# EAGLE board Mk4 Final Panel 8up 2x4 (EAGLE 9.0.1), part 13 of 23 (continued)
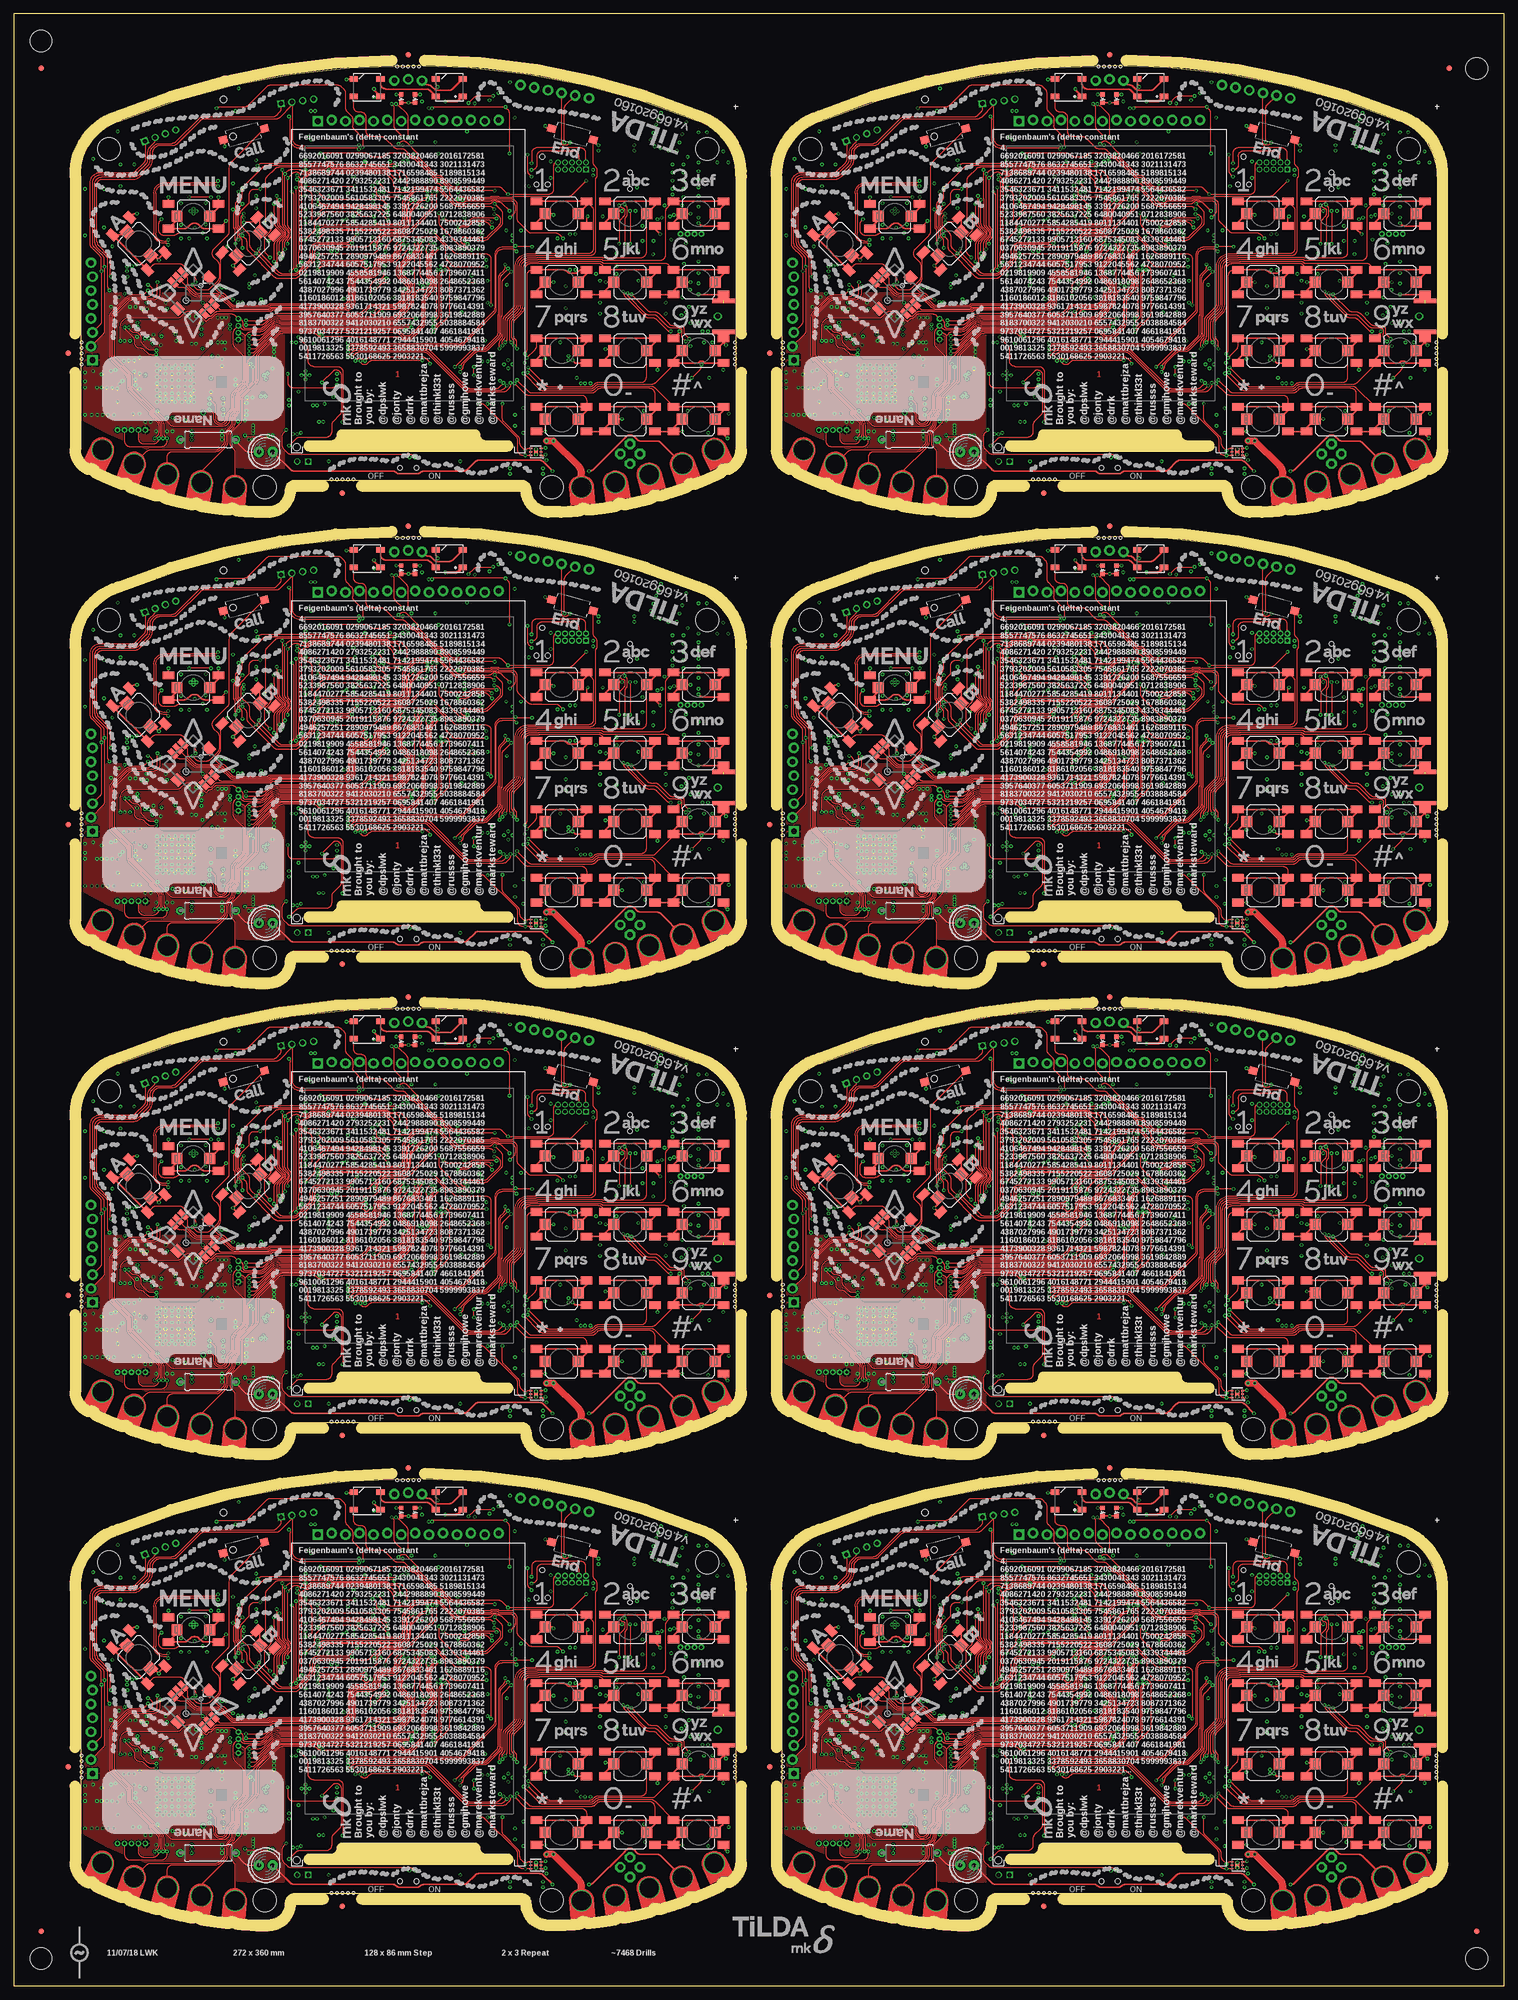
[diagram p0: board, top side]
## Tracks (layer width: path | path; a pad name or v marks a point on that pad's centre or on a via) (continued)
I2C4_SCL7  (via drill 0.3)
  Top 0.15: v204,296.1 204,296.3 203.29,297.01 arc45 202.59,297.3 193.21,297.3 arc45 192.51,297.01 v192.1,296.6 191.78,296.92 arc90 190.72,296.92 v190.4,296.6 | v217.2,288.8 217.2,286.14 arc45 217.49,285.43 220.01,282.92 arc-45 220.3,282.21 220.3,281.71 arc45 220.59,281.01 v221.35,280.25 221.46,280.36 arc-45 222.16,280.65 IC142.4
  3V3@2 0.15: v187,316.7 186.3,317.4 186.3,321.8 186.55,322.05 186.55,324.55 187,325 189,325 191.4,327.4 193.95,327.4 194.5,326.85 195.05,326.85 195.5,327.3 v195.5,327.4
  Bottom 0.15: IC132.5 182,296.3 arc-90 183,297.3 185.38,297.3 arc-45 186.27,296.93 186.51,296.69 arc45 187.21,296.4 190.12,296.4 arc45 190.26,296.46 v190.4,296.6 | IC139.19 214.75,294.75 | IC140.1 216.25,291.5 216.28,291.52 | 216.28,291.52 arc90 216.28,292.23 215.04,293.46 arc-45 214.75,294.16 214.75,294.75 | 214.75,294.75 212.16,294.75 arc-45 211.46,295.04 210.69,295.81 arc45 209.99,296.1 v204,296.1 | v192.1,296.6 191.7,297 191.7,300.38 arc45 191.33,301.27 186.99,305.61 arc-45 186.7,306.31 186.7,315.99 arc-45 v186.99,316.69 v187,316.7 187.05,316.75 R572.1 | v217.2,288.8 217.2,290.39 arc45 217.05,290.75 216.28,291.52 | IC128.61 194.69,328 arc-45 195.05,327.85 v195.5,327.4 | IC143.6 220.72,278.88 arc45 220.7,278.95 220.63,279.02 arc-45 220.6,279.09 220.6,279.29 arc-45 220.75,279.65 v221.35,280.25
I2C4_SDA  (via drill 0.3)
  Top 0.15: v84,36 v84,37.5 | v74.58,38.7 65.54,38.7 arc45 64.83,38.41 64.56,38.13 arc-45 64,37.9 arc-90 v63.3,38.6 | IC17.6 v93.35,21.35 93,21.35 arc-90 92,22.35 92,24.09 arc45 91.71,24.79 85.99,30.51 arc45 85.29,30.8 v84.8,30.8
  3V3@2 0.15: v58,58.7 58,64 58.25,64.25 58.25,66.75 59,67.5 61,67.5 63.25,69.75 66.35,69.75 v66.7,69.4
  Bottom 0.15: IC8.6 arc-90 55.45,39 57.36,39 arc-45 58.07,38.71 58.31,38.47 arc45 59.19,38.1 61.82,38.1 arc-45 61.96,38.04 62.04,37.96 arc45 62.18,37.9 62.6,37.9 arc90 v63.3,38.6 63.4,38.7 63.4,42.34 arc45 63.11,43.04 58.69,47.46 arc-45 58.4,48.16 58.4,57.89 arc45 58.11,58.59 v58,58.7 arc45 58.1,58.94 58.1,59.7 R21.1 | IC4.20 86.92,37.25 86.89,37.23 84.66,37.23 arc-45 v84,37.5 83.39,38.11 arc45 82.69,38.4 76.71,38.4 arc-45 76.35,38.55 76.35,38.55 arc45 75.99,38.7 v74.58,38.7 | IC16.6 86.16,33.5 arc-45 85.46,33.79 84.8,34.45 | 84.8,34.45 84.29,34.96 arc-45 84,35.66 v84,36 | v84.8,30.8 84.8,34.45 | IC1.60 66.29,69.6 arc-45 66.65,69.45 v66.7,69.4 | IC3.1 95.47,20.06 arc45 95.18,20.77 94.89,21.06 arc45 94.19,21.35 v93.35,21.35
I2C4_SDA1  (via drill 0.3)
  Top 0.15: v212,36 v212,37.5 | v202.58,38.7 193.54,38.7 arc45 192.83,38.41 192.56,38.13 arc-45 192,37.9 arc-90 v191.3,38.6 | IC34.6 v221.35,21.35 221,21.35 arc-90 220,22.35 220,24.09 arc45 219.71,24.79 213.99,30.51 arc45 213.29,30.8 v212.8,30.8
  3V3@2 0.15: v186,58.7 186,64 186.25,64.25 186.25,66.75 187,67.5 189,67.5 191.25,69.75 194.35,69.75 v194.7,69.4
  Bottom 0.15: IC24.6 arc-90 183.45,39 185.36,39 arc-45 186.07,38.71 186.31,38.47 arc45 187.19,38.1 189.82,38.1 arc-45 189.96,38.04 190.04,37.96 arc45 190.18,37.9 190.6,37.9 arc90 v191.3,38.6 191.4,38.7 191.4,42.34 arc45 191.11,43.04 186.69,47.46 arc-45 186.4,48.16 186.4,57.89 arc45 186.11,58.59 v186,58.7 arc45 186.1,58.94 186.1,59.7 R103.1 | IC31.20 214.92,37.25 214.89,37.23 212.66,37.23 arc-45 v212,37.5 211.39,38.11 arc45 210.69,38.4 204.71,38.4 arc-45 204.35,38.55 204.35,38.55 arc45 203.99,38.7 v202.58,38.7 | IC32.6 214.16,33.5 arc-45 213.46,33.79 212.8,34.45 | 212.8,34.45 212.29,34.96 arc-45 212,35.66 v212,36 | v212.8,30.8 212.8,34.45 | IC20.60 194.29,69.6 arc-45 194.65,69.45 v194.7,69.4 | IC35.1 223.47,20.06 arc45 223.18,20.77 222.89,21.06 arc45 222.19,21.35 v221.35,21.35
I2C4_SDA2  (via drill 0.3)
  Top 0.15: v84,122 v84,123.5 | v74.58,124.7 65.54,124.7 arc45 64.83,124.41 64.56,124.13 arc-45 64,123.9 arc-90 v63.3,124.6 | IC52.6 v93.35,107.35 93,107.35 arc-90 92,108.35 92,110.09 arc45 91.71,110.79 85.99,116.51 arc45 85.29,116.8 v84.8,116.8
  3V3@2 0.15: v58,144.7 58,150 58.25,150.25 58.25,152.75 59,153.5 61,153.5 63.25,155.75 66.35,155.75 v66.7,155.4
  Bottom 0.15: IC42.6 arc-90 55.45,125 57.36,125 arc-45 58.07,124.71 58.31,124.47 arc45 59.19,124.1 61.82,124.1 arc-45 61.96,124.04 62.04,123.96 arc45 62.18,123.9 62.6,123.9 arc90 v63.3,124.6 63.4,124.7 63.4,128.34 arc45 63.11,129.04 58.69,133.46 arc-45 58.4,134.16 58.4,143.89 arc45 58.11,144.59 v58,144.7 arc45 58.1,144.94 58.1,145.7 R181.1 | IC49.20 86.92,123.25 86.89,123.22 84.66,123.22 arc-45 v84,123.5 83.39,124.11 arc45 82.69,124.4 76.71,124.4 arc-45 76.35,124.55 76.35,124.55 arc45 75.99,124.7 v74.58,124.7 | IC50.6 86.16,119.5 arc-45 85.46,119.79 84.8,120.45 | 84.8,120.45 84.29,120.96 arc-45 84,121.66 v84,122 | v84.8,116.8 84.8,120.45 | IC38.60 66.29,155.6 arc-45 66.65,155.45 v66.7,155.4 | IC53.1 95.47,106.06 arc45 95.18,106.77 94.89,107.06 arc45 94.19,107.35 v93.35,107.35
I2C4_SDA3  (via drill 0.3)
  Top 0.15: v212,122 v212,123.5 | v202.58,124.7 193.54,124.7 arc45 192.83,124.41 192.56,124.13 arc-45 192,123.9 arc-90 v191.3,124.6 | IC70.6 v221.35,107.35 221,107.35 arc-90 220,108.35 220,110.09 arc45 219.71,110.79 213.99,116.51 arc45 213.29,116.8 v212.8,116.8
  3V3@2 0.15: v186,144.7 186,150 186.25,150.25 186.25,152.75 187,153.5 189,153.5 191.25,155.75 194.35,155.75 v194.7,155.4
  Bottom 0.15: IC60.6 arc-90 183.45,125 185.36,125 arc-45 186.07,124.71 186.31,124.47 arc45 187.19,124.1 189.82,124.1 arc-45 189.96,124.04 190.04,123.96 arc45 190.18,123.9 190.6,123.9 arc90 v191.3,124.6 191.4,124.7 191.4,128.34 arc45 191.11,129.04 186.69,133.46 arc-45 186.4,134.16 186.4,143.89 arc45 186.11,144.59 v186,144.7 arc45 186.1,144.94 186.1,145.7 R259.1 | IC67.20 214.92,123.25 214.89,123.22 212.66,123.22 arc-45 v212,123.5 211.39,124.11 arc45 210.69,124.4 204.71,124.4 arc-45 204.35,124.55 204.35,124.55 arc45 203.99,124.7 v202.58,124.7 | IC68.6 214.16,119.5 arc-45 213.46,119.79 212.8,120.45 | 212.8,120.45 212.29,120.96 arc-45 212,121.66 v212,122 | v212.8,116.8 212.8,120.45 | IC56.60 194.29,155.6 arc-45 194.65,155.45 v194.7,155.4 | IC71.1 223.47,106.06 arc45 223.18,106.77 222.89,107.06 arc45 222.19,107.35 v221.35,107.35
I2C4_SDA4  (via drill 0.3)
  Top 0.15: v84,208 v84,209.5 | v74.58,210.7 65.54,210.7 arc45 64.83,210.41 64.56,210.13 arc-45 64,209.9 arc-90 v63.3,210.6 | IC88.6 v93.35,193.35 93,193.35 arc-90 92,194.35 92,196.09 arc45 91.71,196.79 85.99,202.51 arc45 85.29,202.8 v84.8,202.8
  3V3@2 0.15: v58,230.7 58,236 58.25,236.25 58.25,238.75 59,239.5 61,239.5 63.25,241.75 66.35,241.75 v66.7,241.4
  Bottom 0.15: IC78.6 arc-90 55.45,211 57.36,211 arc-45 58.07,210.71 58.31,210.47 arc45 59.19,210.1 61.82,210.1 arc-45 61.96,210.04 62.04,209.96 arc45 62.18,209.9 62.6,209.9 arc90 v63.3,210.6 63.4,210.7 63.4,214.34 arc45 63.11,215.04 58.69,219.46 arc-45 58.4,220.16 58.4,229.89 arc45 58.11,230.59 v58,230.7 arc45 58.1,230.94 58.1,231.7 R337.1 | IC85.20 86.92,209.25 86.89,209.22 84.66,209.22 arc-45 v84,209.5 83.39,210.11 arc45 82.69,210.4 76.71,210.4 arc-45 76.35,210.55 76.35,210.55 arc45 75.99,210.7 v74.58,210.7 | IC86.6 86.16,205.5 arc-45 85.46,205.79 84.8,206.45 | 84.8,206.45 84.29,206.96 arc-45 84,207.66 v84,208 | v84.8,202.8 84.8,206.45 | IC74.60 66.29,241.6 arc-45 66.65,241.45 v66.7,241.4 | IC89.1 95.47,192.06 arc45 95.18,192.77 94.89,193.06 arc45 94.19,193.35 v93.35,193.35
I2C4_SDA5  (via drill 0.3)
  Top 0.15: v212,208 v212,209.5 | v202.58,210.7 193.54,210.7 arc45 192.83,210.41 192.56,210.13 arc-45 192,209.9 arc-90 v191.3,210.6 | IC106.6 v221.35,193.35 221,193.35 arc-90 220,194.35 220,196.09 arc45 219.71,196.79 213.99,202.51 arc45 213.29,202.8 v212.8,202.8
  3V3@2 0.15: v186,230.7 186,236 186.25,236.25 186.25,238.75 187,239.5 189,239.5 191.25,241.75 194.35,241.75 v194.7,241.4
  Bottom 0.15: IC96.6 arc-90 183.45,211 185.36,211 arc-45 186.07,210.71 186.31,210.47 arc45 187.19,210.1 189.82,210.1 arc-45 189.96,210.04 190.04,209.96 arc45 190.18,209.9 190.6,209.9 arc90 v191.3,210.6 191.4,210.7 191.4,214.34 arc45 191.11,215.04 186.69,219.46 arc-45 186.4,220.16 186.4,229.89 arc45 186.11,230.59 v186,230.7 arc45 186.1,230.94 186.1,231.7 R415.1 | IC103.20 214.92,209.25 214.89,209.22 212.66,209.22 arc-45 v212,209.5 211.39,210.11 arc45 210.69,210.4 204.71,210.4 arc-45 204.35,210.55 204.35,210.55 arc45 203.99,210.7 v202.58,210.7 | IC104.6 214.16,205.5 arc-45 213.46,205.79 212.8,206.45 | 212.8,206.45 212.29,206.96 arc-45 212,207.66 v212,208 | v212.8,202.8 212.8,206.45 | IC92.60 194.29,241.6 arc-45 194.65,241.45 v194.7,241.4 | IC107.1 223.47,192.06 arc45 223.18,192.77 222.89,193.06 arc45 222.19,193.35 v221.35,193.35
I2C4_SDA6  (via drill 0.3)
  Top 0.15: v84,294 v84,295.5 | v74.58,296.7 65.54,296.7 arc45 64.83,296.41 64.56,296.13 arc-45 64,295.9 arc-90 v63.3,296.6 | IC124.6 v93.35,279.35 93,279.35 arc-90 92,280.35 92,282.09 arc45 91.71,282.79 85.99,288.51 arc45 85.29,288.8 v84.8,288.8
  3V3@2 0.15: v58,316.7 58,322 58.25,322.25 58.25,324.75 59,325.5 61,325.5 63.25,327.75 66.35,327.75 v66.7,327.4
  Bottom 0.15: IC114.6 arc-90 55.45,297 57.36,297 arc-45 58.07,296.71 58.31,296.47 arc45 59.19,296.1 61.82,296.1 arc-45 61.96,296.04 62.04,295.96 arc45 62.18,295.9 62.6,295.9 arc90 v63.3,296.6 63.4,296.7 63.4,300.34 arc45 63.11,301.04 58.69,305.46 arc-45 58.4,306.16 58.4,315.89 arc45 58.11,316.59 v58,316.7 arc45 58.1,316.94 58.1,317.7 R493.1 | IC121.20 86.92,295.25 86.89,295.23 84.66,295.23 arc-45 v84,295.5 83.39,296.11 arc45 82.69,296.4 76.71,296.4 arc-45 76.35,296.55 76.35,296.55 arc45 75.99,296.7 v74.58,296.7 | IC122.6 86.16,291.5 arc-45 85.46,291.79 84.8,292.45 | 84.8,292.45 84.29,292.96 arc-45 84,293.66 v84,294 | v84.8,288.8 84.8,292.45 | IC110.60 66.29,327.6 arc-45 66.65,327.45 v66.7,327.4 | IC125.1 95.47,278.06 arc45 95.18,278.77 94.89,279.06 arc45 94.19,279.35 v93.35,279.35
I2C4_SDA7  (via drill 0.3)
  Top 0.15: v212,294 v212,295.5 | v202.58,296.7 193.54,296.7 arc45 192.83,296.41 192.56,296.13 arc-45 192,295.9 arc-90 v191.3,296.6 | IC142.6 v221.35,279.35 221,279.35 arc-90 220,280.35 220,282.09 arc45 219.71,282.79 213.99,288.51 arc45 213.29,288.8 v212.8,288.8
  3V3@2 0.15: v186,316.7 186,322 186.25,322.25 186.25,324.75 187,325.5 189,325.5 191.25,327.75 194.35,327.75 v194.7,327.4
  Bottom 0.15: IC132.6 arc-90 183.45,297 185.36,297 arc-45 186.07,296.71 186.31,296.47 arc45 187.19,296.1 189.82,296.1 arc-45 189.96,296.04 190.04,295.96 arc45 190.18,295.9 190.6,295.9 arc90 v191.3,296.6 191.4,296.7 191.4,300.34 arc45 191.11,301.04 186.69,305.46 arc-45 186.4,306.16 186.4,315.89 arc45 186.11,316.59 v186,316.7 arc45 186.1,316.94 186.1,317.7 R571.1 | IC139.20 214.92,295.25 214.89,295.23 212.66,295.23 arc-45 v212,295.5 211.39,296.11 arc45 210.69,296.4 204.71,296.4 arc-45 204.35,296.55 204.35,296.55 arc45 203.99,296.7 v202.58,296.7 | IC140.6 214.16,291.5 arc-45 213.46,291.79 212.8,292.45 | 212.8,292.45 212.29,292.96 arc-45 212,293.66 v212,294 | v212.8,288.8 212.8,292.45 | IC128.60 194.29,327.6 arc-45 194.65,327.45 v194.7,327.4 | IC143.1 223.47,278.06 arc45 223.18,278.77 222.89,279.06 arc45 222.19,279.35 v221.35,279.35
I2C5_EXT_SCL  (via drill 0.3)
  Top 0.2: J8.1 48.78,84.69 arc-45 48.49,83.99 47.89,83.39 arc-45 47.19,83.1 34.62,83.1 arc45 33.73,82.73 29.59,78.59 arc-45 28.89,78.3 26.52,78.3 arc45 25.63,77.93 25.27,77.57 arc45 24.9,76.68 24.9,75.27 arc-45 24.46,74.21 22.89,72.64 arc-45 21.83,72.2 16.05,72.2 arc90 14.8,70.95 14.8,60.21 arc45 15.09,59.51 16.81,57.79 arc-45 17.1,57.09 17.1,52.31 arc45 17.39,51.61 v17.5,51.5 | v50.25,83.25 arc-45 50.5,82.65 50.5,79.15 arc90 52.25,77.4 62.85,77.4 v63,77.25
  3V3@2 0.15: v63,77.25 63,74 63.5,73.5 68.02,73.5 68.6,72.92 68.6,70.32 70.28,68.65 70.28,68.38 70.58,68.08 70.85,68.08 76.1,62.82 v76.1,62.2
  Bottom 0.15: IC1.121 78.89,61.6 78.86,61.63 arc45 78.51,61.77 78.38,61.77 arc-45 77.67,62.07 77.21,62.53 arc45 76.86,62.67 76.78,62.67 arc45 76.43,62.53 v76.1,62.2
  Bottom 0.2: IC1.121 80.79,61.6 arc-45 81.15,61.45 81.25,61.35 arc45 81.61,61.2 82.27,61.2 arc-45 82.62,61.05 83.35,60.33 83.35,60.15 R24.1 84.2,59.3 84.2,58.95 arc45 84.33,58.63 arc-45 84.62,57.92 84.62,53.82 arc45 84.92,53.11 85.41,52.62 arc45 86.12,52.33 87.76,52.33 arc-45 88.47,52.03 94.38,46.12 arc-45 94.75,45.23 94.75,39.33 arc45 95.19,38.27 100,33.46 arc45 101.06,33.02 104.66,33.02 arc-45 105.54,32.66 109.11,29.09 arc-45 109.4,28.39 109.4,21.9 109.4,21.51 | JP6.6 17.45,51.45 v17.5,51.5 | PCB.SCL 109.8,17 109.4,17.4 109.4,21.51 | J8.1 49,85.36 49,84.91 arc45 49.29,84.21 v50.25,83.25 | J11.3 111.06,19.85 arc-45 110.35,20.15 109.69,20.81 arc-45 109.4,21.51
  Bottom 0.3: PCB.SCL 110.25,16.84 | J8.5 J8.1
I2C5_EXT_SCL1  (via drill 0.3)
  Top 0.2: J18.1 176.78,84.69 arc-45 176.49,83.99 175.89,83.39 arc-45 175.19,83.1 162.62,83.1 arc45 161.73,82.73 157.59,78.59 arc-45 156.89,78.3 154.52,78.3 arc45 153.63,77.93 153.27,77.57 arc45 152.9,76.68 152.9,75.27 arc-45 152.46,74.21 150.89,72.64 arc-45 149.83,72.2 144.05,72.2 arc90 142.8,70.95 142.8,60.21 arc45 143.09,59.51 144.81,57.79 arc-45 145.1,57.09 145.1,52.31 arc45 145.39,51.61 v145.5,51.5 | v178.25,83.25 arc-45 178.5,82.65 178.5,79.15 arc90 180.25,77.4 190.85,77.4 v191,77.25
  3V3@2 0.15: v191,77.25 191,74 191.5,73.5 196.02,73.5 196.6,72.92 196.6,70.32 198.28,68.65 198.28,68.38 198.58,68.08 198.85,68.08 204.1,62.82 v204.1,62.2
  Bottom 0.15: IC20.121 206.89,61.6 206.86,61.63 arc45 206.51,61.77 206.38,61.77 arc-45 205.68,62.07 205.21,62.53 arc45 204.86,62.67 204.78,62.67 arc45 204.43,62.53 v204.1,62.2
  Bottom 0.2: IC20.121 208.79,61.6 arc-45 209.15,61.45 209.25,61.35 arc45 209.61,61.2 210.27,61.2 arc-45 210.62,61.05 211.35,60.33 211.35,60.15 R106.1 212.2,59.3 212.2,58.95 arc45 212.33,58.63 arc-45 212.62,57.92 212.62,53.82 arc45 212.92,53.11 213.41,52.62 arc45 214.12,52.33 215.76,52.33 arc-45 216.47,52.03 222.38,46.12 arc-45 222.75,45.23 222.75,39.33 arc45 223.19,38.27 228,33.46 arc45 229.06,33.02 232.66,33.02 arc-45 233.54,32.66 237.11,29.09 arc-45 237.4,28.39 237.4,21.51 | JP17.6 145.45,51.45 v145.5,51.5 | PCB1.SCL 237.8,17 237.4,17.4 237.4,21.51 | J18.1 177,85.36 177,84.91 arc45 177.29,84.21 v178.25,83.25 | J20.3 239.06,19.85 arc-45 238.35,20.15 237.69,20.81 arc-45 237.4,21.51
  Bottom 0.3: PCB1.SCL 238.25,16.84 | J18.5 J18.1
I2C5_EXT_SCL2  (via drill 0.3)
  Top 0.2: J28.1 48.78,170.69 arc-45 48.49,169.99 47.89,169.39 arc-45 47.19,169.1 34.62,169.1 arc45 33.73,168.73 29.59,164.59 arc-45 28.89,164.3 26.52,164.3 arc45 25.63,163.93 25.27,163.57 arc45 24.9,162.68 24.9,161.27 arc-45 24.46,160.21 22.89,158.64 arc-45 21.83,158.2 16.05,158.2 arc90 14.8,156.95 14.8,146.21 arc45 15.09,145.51 16.81,143.79 arc-45 17.1,143.09 17.1,138.31 arc45 17.39,137.61 v17.5,137.5 | v50.25,169.25 arc-45 50.5,168.65 50.5,165.15 arc90 52.25,163.4 62.85,163.4 v63,163.25
  3V3@2 0.15: v63,163.25 63,160 63.5,159.5 68.02,159.5 68.6,158.92 68.6,156.32 70.28,154.65 70.28,154.38 70.58,154.07 70.85,154.07 76.1,148.82 v76.1,148.2
  Bottom 0.15: IC38.121 78.89,147.6 78.86,147.63 arc45 78.51,147.78 78.38,147.78 arc-45 77.67,148.07 77.21,148.53 arc45 76.86,148.68 76.78,148.68 arc45 76.43,148.53 v76.1,148.2
  Bottom 0.2: IC38.121 80.79,147.6 arc-45 81.15,147.45 81.25,147.35 arc45 81.61,147.2 82.27,147.2 arc-45 82.62,147.05 83.35,146.33 83.35,146.15 R184.1 84.2,145.3 84.2,144.95 arc45 84.33,144.63 arc-45 84.62,143.92 84.62,139.82 arc45 84.92,139.11 85.41,138.62 arc45 86.12,138.32 87.76,138.32 arc-45 88.47,138.03 94.38,132.12 arc-45 94.75,131.23 94.75,125.33 arc45 95.19,124.27 100,119.46 arc45 101.06,119.03 104.66,119.03 arc-45 105.54,118.66 109.11,115.09 arc-45 109.4,114.39 109.4,107.51 | JP26.6 17.45,137.45 v17.5,137.5 | PCB2.SCL 109.8,103 109.4,103.4 109.4,107.51 | J28.1 49,171.36 49,170.91 arc45 49.29,170.21 v50.25,169.25 | J30.3 111.06,105.85 arc-45 110.35,106.15 109.69,106.81 arc-45 109.4,107.51
  Bottom 0.3: PCB2.SCL 110.25,102.84 | J28.5 J28.1
I2C5_EXT_SCL3  (via drill 0.3)
  Top 0.2: J38.1 176.78,170.69 arc-45 176.49,169.99 175.89,169.39 arc-45 175.19,169.1 162.62,169.1 arc45 161.73,168.73 157.59,164.59 arc-45 156.89,164.3 154.52,164.3 arc45 153.63,163.93 153.27,163.57 arc45 152.9,162.68 152.9,161.27 arc-45 152.46,160.21 150.89,158.64 arc-45 149.83,158.2 144.05,158.2 arc90 142.8,156.95 142.8,146.21 arc45 143.09,145.51 144.81,143.79 arc-45 145.1,143.09 145.1,138.31 arc45 145.39,137.61 v145.5,137.5 | v178.25,169.25 arc-45 178.5,168.65 178.5,165.15 arc90 180.25,163.4 190.85,163.4 v191,163.25
  3V3@2 0.15: v191,163.25 191,160 191.5,159.5 196.02,159.5 196.6,158.92 196.6,156.32 198.28,154.65 198.28,154.38 198.58,154.07 198.85,154.07 204.1,148.82 v204.1,148.2
  Bottom 0.15: IC56.121 206.89,147.6 206.86,147.63 arc45 206.51,147.78 206.38,147.78 arc-45 205.68,148.07 205.21,148.53 arc45 204.86,148.68 204.78,148.68 arc45 204.43,148.53 v204.1,148.2
  Bottom 0.2: IC56.121 208.79,147.6 arc-45 209.15,147.45 209.25,147.35 arc45 209.61,147.2 210.27,147.2 arc-45 210.62,147.05 211.35,146.33 211.35,146.15 R262.1 212.2,145.3 212.2,144.95 arc45 212.33,144.63 arc-45 212.62,143.92 212.62,139.82 arc45 212.92,139.11 213.41,138.62 arc45 214.12,138.32 215.76,138.32 arc-45 216.47,138.03 222.38,132.12 arc-45 222.75,131.23 222.75,125.33 arc45 223.19,124.27 228,119.46 arc45 229.06,119.03 232.66,119.03 arc-45 233.54,118.66 237.11,115.09 arc-45 237.4,114.39 237.4,107.51 | JP35.6 145.45,137.45 v145.5,137.5 | PCB3.SCL 237.8,103 237.4,103.4 237.4,107.51 | J38.1 177,171.36 177,170.91 arc45 177.29,170.21 v178.25,169.25 | J40.3 239.06,105.85 arc-45 238.35,106.15 237.69,106.81 arc-45 237.4,107.51
  Bottom 0.3: PCB3.SCL 238.25,102.84 | J38.5 J38.1
I2C5_EXT_SCL4  (via drill 0.3)
  Top 0.2: J48.1 48.78,256.69 arc-45 48.49,255.99 47.89,255.39 arc-45 47.19,255.1 34.62,255.1 arc45 33.73,254.73 29.59,250.59 arc-45 28.89,250.3 26.52,250.3 arc45 25.63,249.93 25.27,249.57 arc45 24.9,248.68 24.9,247.27 arc-45 24.46,246.21 22.89,244.64 arc-45 21.83,244.2 16.05,244.2 arc90 14.8,242.95 14.8,232.21 arc45 15.09,231.51 16.81,229.79 arc-45 17.1,229.09 17.1,224.31 arc45 17.39,223.61 v17.5,223.5 | v50.25,255.25 arc-45 50.5,254.65 50.5,251.15 arc90 52.25,249.4 62.85,249.4 v63,249.25
  3V3@2 0.15: v63,249.25 63,246 63.5,245.5 68.02,245.5 68.6,244.92 68.6,242.32 70.28,240.65 70.28,240.38 70.58,240.07 70.85,240.07 76.1,234.82 v76.1,234.2
  Bottom 0.15: IC74.121 78.89,233.6 78.86,233.63 arc45 78.51,233.78 78.38,233.78 arc-45 77.67,234.07 77.21,234.53 arc45 76.86,234.68 76.78,234.68 arc45 76.43,234.53 v76.1,234.2
  Bottom 0.2: IC74.121 80.79,233.6 arc-45 81.15,233.45 81.25,233.35 arc45 81.61,233.2 82.27,233.2 arc-45 82.62,233.05 83.35,232.33 83.35,232.15 R340.1 84.2,231.3 84.2,230.95 arc45 84.33,230.63 arc-45 84.62,229.92 84.62,225.82 arc45 84.92,225.11 85.41,224.62 arc45 86.12,224.32 87.76,224.32 arc-45 88.47,224.03 94.38,218.12 arc-45 94.75,217.23 94.75,211.33 arc45 95.19,210.27 100,205.46 arc45 101.06,205.03 104.66,205.03 arc-45 105.54,204.66 109.11,201.09 arc-45 109.4,200.39 109.4,193.51 | JP44.6 17.45,223.45 v17.5,223.5 | PCB4.SCL 109.8,189 109.4,189.4 109.4,193.51 | J48.1 49,257.36 49,256.91 arc45 49.29,256.21 v50.25,255.25 | J50.3 111.06,191.85 arc-45 110.35,192.15 109.69,192.81 arc-45 109.4,193.51
  Bottom 0.3: PCB4.SCL 110.25,188.84 | J48.5 J48.1
I2C5_EXT_SCL5  (via drill 0.3)
  Top 0.2: J58.1 176.78,256.69 arc-45 176.49,255.99 175.89,255.39 arc-45 175.19,255.1 162.62,255.1 arc45 161.73,254.73 157.59,250.59 arc-45 156.89,250.3 154.52,250.3 arc45 153.63,249.93 153.27,249.57 arc45 152.9,248.68 152.9,247.27 arc-45 152.46,246.21 150.89,244.64 arc-45 149.83,244.2 144.05,244.2 arc90 142.8,242.95 142.8,232.21 arc45 143.09,231.51 144.81,229.79 arc-45 145.1,229.09 145.1,224.31 arc45 145.39,223.61 v145.5,223.5 | v178.25,255.25 arc-45 178.5,254.65 178.5,251.15 arc90 180.25,249.4 190.85,249.4 v191,249.25
  3V3@2 0.15: v191,249.25 191,246 191.5,245.5 196.02,245.5 196.6,244.92 196.6,242.32 198.28,240.65 198.28,240.38 198.58,240.07 198.85,240.07 204.1,234.82 v204.1,234.2
  Bottom 0.15: IC92.121 206.89,233.6 206.86,233.63 arc45 206.51,233.78 206.38,233.78 arc-45 205.68,234.07 205.21,234.53 arc45 204.86,234.68 204.78,234.68 arc45 204.43,234.53 v204.1,234.2
  Bottom 0.2: IC92.121 208.79,233.6 arc-45 209.15,233.45 209.25,233.35 arc45 209.61,233.2 210.27,233.2 arc-45 210.62,233.05 211.35,232.33 211.35,232.15 R418.1 212.2,231.3 212.2,230.95 arc45 212.33,230.63 arc-45 212.62,229.92 212.62,225.82 arc45 212.92,225.11 213.41,224.62 arc45 214.12,224.32 215.76,224.32 arc-45 216.47,224.03 222.38,218.12 arc-45 222.75,217.23 222.75,211.33 arc45 223.19,210.27 228,205.46 arc45 229.06,205.03 232.66,205.03 arc-45 233.54,204.66 237.11,201.09 arc-45 237.4,200.39 237.4,193.51 | JP53.6 145.45,223.45 v145.5,223.5 | PCB5.SCL 237.8,189 237.4,189.4 237.4,193.51 | J58.1 177,257.36 177,256.91 arc45 177.29,256.21 v178.25,255.25 | J60.3 239.06,191.85 arc-45 238.35,192.15 237.69,192.81 arc-45 237.4,193.51
  Bottom 0.3: PCB5.SCL 238.25,188.84 | J58.5 J58.1
I2C5_EXT_SCL6  (via drill 0.3)
  Top 0.2: J68.1 48.78,342.69 arc-45 48.49,341.99 47.89,341.39 arc-45 47.19,341.1 34.62,341.1 arc45 33.73,340.73 29.59,336.59 arc-45 28.89,336.3 26.52,336.3 arc45 25.63,335.93 25.27,335.57 arc45 24.9,334.68 24.9,333.27 arc-45 24.46,332.21 22.89,330.64 arc-45 21.83,330.2 16.05,330.2 arc90 14.8,328.95 14.8,318.21 arc45 15.09,317.51 16.81,315.79 arc-45 17.1,315.09 17.1,310.31 arc45 17.39,309.61 v17.5,309.5 | v50.25,341.25 arc-45 50.5,340.65 50.5,337.15 arc90 52.25,335.4 62.85,335.4 v63,335.25
  3V3@2 0.15: v63,335.25 63,332 63.5,331.5 68.02,331.5 68.6,330.92 68.6,328.32 70.28,326.65 70.28,326.38 70.58,326.07 70.85,326.07 76.1,320.82 v76.1,320.2
  Bottom 0.15: IC110.121 78.89,319.6 78.86,319.63 arc45 78.51,319.77 78.38,319.77 arc-45 77.67,320.07 77.21,320.53 arc45 76.86,320.68 76.78,320.68 arc45 76.43,320.53 v76.1,320.2
  Bottom 0.2: IC110.121 80.79,319.6 arc-45 81.15,319.45 81.25,319.35 arc45 81.61,319.2 82.27,319.2 arc-45 82.62,319.05 83.35,318.33 83.35,318.15 R496.1 84.2,317.3 84.2,316.95 arc45 84.33,316.63 arc-45 84.62,315.92 84.62,311.82 arc45 84.92,311.11 85.41,310.62 arc45 86.12,310.32 87.76,310.32 arc-45 88.47,310.03 94.38,304.12 arc-45 94.75,303.23 94.75,297.33 arc45 95.19,296.27 100,291.46 arc45 101.06,291.02 104.66,291.02 arc-45 105.54,290.66 109.11,287.09 arc-45 109.4,286.39 109.4,279.51 | JP62.6 17.45,309.45 v17.5,309.5 | PCB6.SCL 109.8,275 109.4,275.4 109.4,279.51 | J68.1 49,343.36 49,342.91 arc45 49.29,342.21 v50.25,341.25 | J70.3 111.06,277.85 arc-45 110.35,278.15 109.69,278.81 arc-45 109.4,279.51
  Bottom 0.3: PCB6.SCL 110.25,274.84 | J68.5 J68.1
I2C5_EXT_SCL7  (via drill 0.3)
  Top 0.2: J78.1 176.78,342.69 arc-45 176.49,341.99 175.89,341.39 arc-45 175.19,341.1 162.62,341.1 arc45 161.73,340.73 157.59,336.59 arc-45 156.89,336.3 154.52,336.3 arc45 153.63,335.93 153.27,335.57 arc45 152.9,334.68 152.9,333.27 arc-45 152.46,332.21 150.89,330.64 arc-45 149.83,330.2 144.05,330.2 arc90 142.8,328.95 142.8,318.21 arc45 143.09,317.51 144.81,315.79 arc-45 145.1,315.09 145.1,310.31 arc45 145.39,309.61 v145.5,309.5 | v178.25,341.25 arc-45 178.5,340.65 178.5,337.15 arc90 180.25,335.4 190.85,335.4 v191,335.25
  3V3@2 0.15: v191,335.25 191,332 191.5,331.5 196.02,331.5 196.6,330.92 196.6,328.32 198.28,326.65 198.28,326.38 198.58,326.07 198.85,326.07 204.1,320.82 v204.1,320.2
  Bottom 0.15: IC128.121 206.89,319.6 206.86,319.63 arc45 206.51,319.77 206.38,319.77 arc-45 205.68,320.07 205.21,320.53 arc45 204.86,320.68 204.78,320.68 arc45 204.43,320.53 v204.1,320.2
  Bottom 0.2: IC128.121 208.79,319.6 arc-45 209.15,319.45 209.25,319.35 arc45 209.61,319.2 210.27,319.2 arc-45 210.62,319.05 211.35,318.33 211.35,318.15 R574.1 212.2,317.3 212.2,316.95 arc45 212.33,316.63 arc-45 212.62,315.92 212.62,311.82 arc45 212.92,311.11 213.41,310.62 arc45 214.12,310.32 215.76,310.32 arc-45 216.47,310.03 222.38,304.12 arc-45 222.75,303.23 222.75,297.33 arc45 223.19,296.27 228,291.46 arc45 229.06,291.02 232.66,291.02 arc-45 233.54,290.66 237.11,287.09 arc-45 237.4,286.39 237.4,279.51 | JP71.6 145.45,309.45 v145.5,309.5 | PCB7.SCL 237.8,275 237.4,275.4 237.4,279.51 | J78.1 177,343.36 177,342.91 arc45 177.29,342.21 v178.25,341.25 | J80.3 239.06,277.85 arc-45 238.35,278.15 237.69,278.81 arc-45 237.4,279.51
  Bottom 0.3: PCB7.SCL 238.25,274.84 | J78.5 J78.1
I2C5_EXT_SDA  (via drill 0.3)
  Top 0.2: v17.75,54 17.73,54.02 arc-45 17.5,54.57 17.5,57.24 arc45 17.21,57.94 15.49,59.66 arc-45 15.2,60.36 15.2,70.8 arc-90 16.2,71.8 21.88,71.8 arc45 23.11,72.31 24.79,73.99 arc45 25.3,75.22 25.3,76.64 arc-45 25.59,77.34 25.86,77.61 arc-45 26.56,77.9 28.93,77.9 arc45 29.82,78.27 34.01,82.46 arc-45 34.71,82.75 47.84,82.75 arc45 48.54,83.04 50.76,85.26 J8.2 50.76,85.24 50.9,85.1 50.9,79.3 arc90 52.4,77.8 62.8,77.8 v63,78
  3V3@2 0.15: v75.3,62.2 75.3,63.2 70.72,67.78 70.46,67.78 69.97,68.26 69.97,68.53 68.3,70.2 68.3,72.8 67.9,73.2 63.3,73.2 62.7,73.8 62.7,76.7 62.4,77 62.4,77.4 v63,78
  Bottom 0.15: IC1.120 78.92,62 arc-45 78.91,62 arc45 78.74,62.08 arc-45 78.03,62.37 77.72,62.68 arc45 77.01,62.98 76.49,62.98 arc45 75.78,62.68 v75.3,62.2